# Altium PCB pcb_88.PcbDoc (part 2 of 3) (continued)
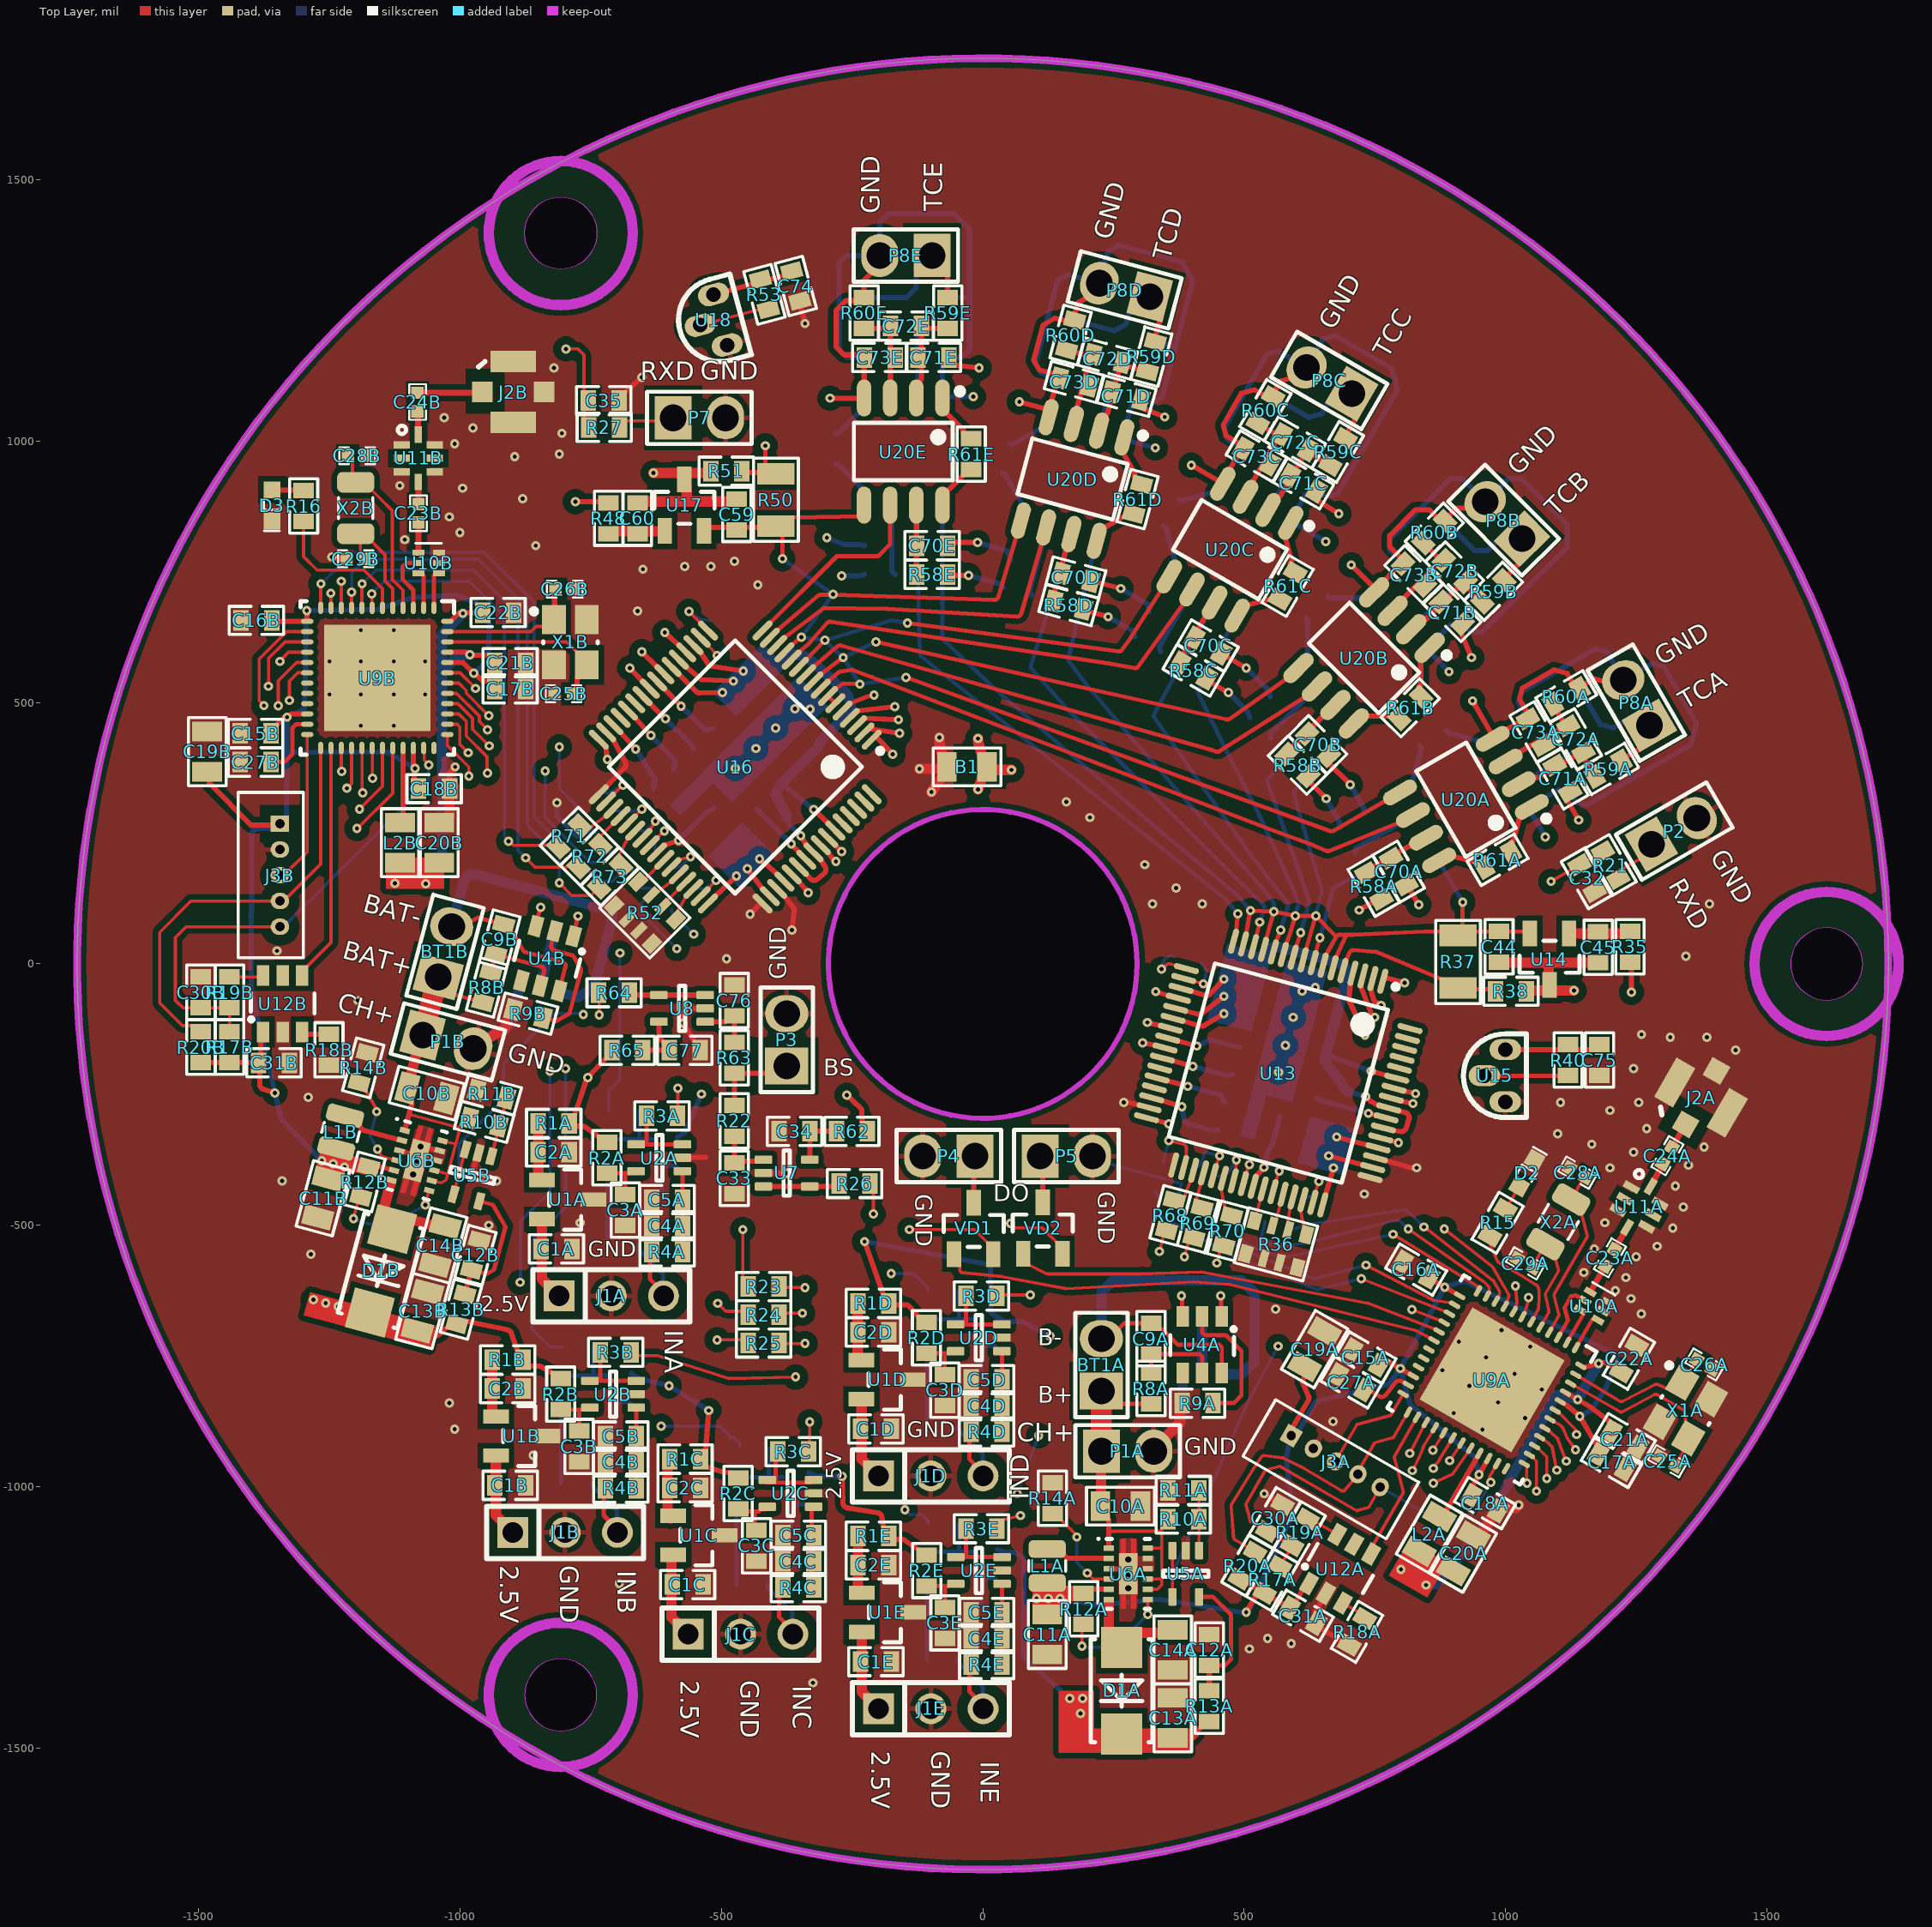
[diagram p0: Top Layer view]
## Nets (pads, with @x,y where several pads share a name; then routed paths per layer and width w, separated by ;. In a path a pad name is that pad's centre, name@x,y a point inside that pad or via, vN(x,y) a via of type N, cw(c..) or ccw(c..) an arc to the next point about the centre after c; other vN are vias at no path point) (continued)
  Top Layer w20: R1D.2@-238.91,-649.29 -238.91,-753.82 -235.13,-757.6 U1D.1@-231.74,-757.6
NetC2E_2: C2E.2 R1E.2 U1E.1 | length 113.3
  Top Layer w20: R1E.2@-238.63,-1094.41 -238.63,-1198.94 -234.85,-1202.72 U1E.1@-231.46,-1202.72
NetC3A_2: C3A.2 R2A.1 U2A.5 | length 99.5
  Top Layer w8: R2A.1@-718.68,-400.24 -686.65,-400.24 ; C3A.2@-683.68,-441.18 -683.68,-403.21 -686.65,-400.24 ; U2A.5@-662.97,-396.3 -671.83,-396.3 -675.76,-400.24 -686.65,-400.24
NetC3B_2: C3B.2 R2B.1 U2B.5 | length 99.5
  Top Layer w8: R2B.1@-807.02,-852.48 -775,-852.48 ; C3B.2@-772.02,-893.42 -772.02,-855.46 -775,-852.48 ; U2B.5@-751.31,-848.54 -760.17,-848.54 -764.11,-852.48 -775,-852.48
NetC3C_2: C3C.2 R2C.1 U2C.5 | length 99.5
  Top Layer w8: R2C.1@-471.29,-1047.1 -439.27,-1047.1 ; C3C.2@-436.29,-1088.04 -436.29,-1050.07 -439.27,-1047.1 ; U2C.5@-415.58,-1043.16 -424.44,-1043.16 -428.38,-1047.1 -439.27,-1047.1
NetC3D_2: C3D.2 R2D.1 U2D.5 | length 99.5
  Top Layer w8: R2D.1@-107.53,-744.53 -75.5,-744.53 ; C3D.2@-72.53,-785.47 -72.53,-747.5 -75.5,-744.53 ; U2D.5@-51.82,-740.59 -60.68,-740.59 -64.61,-744.53 -75.5,-744.53
NetC3E_2: C3E.2 R2E.1 U2E.5 | length 99.5
  Top Layer w8: R2E.1@-107.25,-1189.65 -75.23,-1189.65 ; C3E.2@-72.25,-1230.59 -72.25,-1192.62 -75.23,-1189.65 ; U2E.5@-51.54,-1185.71 -60.4,-1185.71 -64.34,-1189.65 -75.23,-1189.65
NetC4A_1: C4A.1 C5A.2 R4A.2 U2A.1 | length 154.5
  Top Layer w8: U2A.1@-574.39,-396.3 -574.38,-550.47 R4A.2@-574.15,-550.71
NetC4B_1: C4B.1 C5B.2 R4B.2 U2B.1 | length 154.5
  Top Layer w8: U2B.1@-662.73,-848.54 -662.73,-1002.71 R4B.2@-662.5,-1002.95
NetC4C_1: C4C.1 C5C.2 R4C.2 U2C.1 | length 154.5
  Top Layer w8: U2C.1@-327,-1043.16 -327,-1197.33 R4C.2@-326.76,-1197.57
NetC4D_1: C4D.1 C5D.2 R4D.2 U2D.1 | length 154.5
  Top Layer w8: U2D.1@36.76,-740.59 36.76,-894.76 R4D.2@37,-895
NetC4E_1: C4E.1 C5E.2 R4E.2 U2E.1 | length 154.5
  Top Layer w8: U2E.1@37.04,-1185.71 37.04,-1339.88 R4E.2@37.28,-1340.12
NetC6A_2: C6A.2 R5A.1 U3A.5 | length 78.5
  Bottom Layer w8: C6A.2@-613.68,-436.18 -613.68,-391.48 -608.5,-386.3 -587.61,-386.3 R5A.1@-583.68,-390.24
NetC6B_2: C6B.2 R5B.1 U3B.5 | length 78.5
  Bottom Layer w8: C6B.2@-702.02,-888.42 -702.02,-843.72 -696.85,-838.54 -675.96,-838.54 R5B.1@-672.02,-842.48
NetC6C_2: C6C.2 R5C.1 U3C.5 | length 78.5
  Bottom Layer w8: C6C.2@-366.29,-1083.04 -366.29,-1038.33 -361.11,-1033.16 -340.23,-1033.16 R5C.1@-336.29,-1037.1
NetC6D_2: C6D.2 R5D.1 U3D.5 | length 78.5
  Bottom Layer w8: C6D.2@-2.53,-780.47 -2.53,-735.77 2.65,-730.59 23.53,-730.59 R5D.1@27.47,-734.53
NetC6E_2: C6E.2 R5E.1 U3E.5 | length 78.5
  Bottom Layer w8: C6E.2@-2.25,-1225.59 -2.25,-1180.89 2.93,-1175.71 23.81,-1175.71 R5E.1@27.75,-1179.65
NetC7A_1: C7A.1 C8A.2 R7A.2 U3A.1 | length 154.5
  Bottom Layer w8: R7A.2@-718.21,-540.71 -717.97,-540.47 U3A.1@-717.97,-386.3
NetC7B_1: C7B.1 C8B.2 R7B.2 U3B.1 | length 154.5
  Bottom Layer w8: R7B.2@-806.55,-992.95 -806.31,-992.72 U3B.1@-806.31,-838.54
NetC7C_1: C7C.1 C8C.2 R7C.2 U3C.1 | length 154.5
  Bottom Layer w8: R7C.2@-470.82,-1187.57 -470.58,-1187.33 U3C.1@-470.58,-1033.16
NetC7D_1: C7D.1 C8D.2 R7D.2 U3D.1 | length 154.5
  Bottom Layer w8: R7D.2@-107.06,-885 -106.82,-884.76 U3D.1@-106.82,-730.59
NetC7E_1: C7E.1 C8E.2 R7E.2 U3E.1 | length 154.5
  Bottom Layer w8: R7E.2@-106.78,-1330.12 -106.54,-1329.88 U3E.1@-106.54,-1175.71
NetC9A_2: C9A.2 R8A.2 U4A.5 | length 167.1
  Top Layer w8: R8A.2@322.03,-782.47 C9A.2@322.03,-746.53 415.08,-746.53 419.76,-751.21 U4A.5@419.76,-782.67
NetC9B_2: C9B.2 R8B.2 U4B.5 | length 167.1
  Top Layer w8: R8B.2@-940.81,-16.4 C9B.2@-931.51,18.31 -841.63,-5.77 -838.32,-11.51 U4B.5@-846.46,-41.89
NetC12A_2: C12A.2 R13A.1 U5A.5 | length 255
  Top Layer w8: U5A.5@414,-1210.58 440.58,-1210.58 475,-1245 475,-1330 463.47,-1341.53 C12A.2@433.41,-1341.53
  Top Layer w10: R13A.1@433.41,-1389.91 C12A.2@433.41,-1341.53
NetC12B_2: C12B.2 R13B.1 U5B.5 | length 255
  Top Layer w8: C12B.2@-977.92,-585.24 -948.89,-593.02 -934.77,-584.87 -912.77,-502.76 -937.1,-460.61 U5B.5@-962.78,-453.73
  Top Layer w10: R13B.1@-990.45,-631.97 C12B.2@-977.92,-585.24
NetC14A_2: C14A.2 D1A.1 U6A.6
NetC14B_2: C14B.2 D1B.1 U6B.6
NetC20A_2: C20A.2 C21A.2 C22A.2 L2A.2 U9A.45 U9A.48 | length 907.9
  Top Layer w10: L2A.2@835.29,-1123.39 C20A.2@900.25,-1160.89 ; U9A.45@1114.71,-819.83 v1(1137.77,-833.14) 1160.84,-846.46 1201.5,-876.65 C21A.2@1202.61,-894.24 ; U9A.48@1144.23,-768.68 1149.89,-771.95 1178.16,-764.38 1188.43,-761.62 C22A.2@1221.24,-780.56
  Bottom Layer w20: v1(800,-1158) 825.17,-1173.73 v1(848,-1188) 854.55,-1187.37 859.8,-1186.87 866.95,-1186.18 872.71,-1180.42 961.25,-1073.06 962.48,-1071.56 1091.86,-832.5 1099.77,-824.59 1111.2,-824.59 1114.19,-825.55 v1(1137.77,-833.14) v1(1178.14,-764.29)
NetC20B_2: C20B.2 C21B.2 C22B.2 L2B.2 U9B.45 U9B.48 | length 916.7
  Top Layer w10: L2B.2@-1114.34,193.61 -1090.8,193.61 C20B.2@-1039.34,193.61 ; U9B.45@-1024.14,596.21 -987.25,596.21 -982.3,591.26 v1(-980.67,591.26) ; U9B.48@-1017.33,655.54 -1000.87,672 C22B.2@-956.58,672 ; v1@-981.43,590.39 -943.35,590.39 -933.58,580.62 C21B.2@-933.58,576
  Bottom Layer w20: v1(-1124.34,154.39) v1(-1065.34,153.39) -1034,184.72 -1034,559 ; v1(-994.34,670.39) -1034,630.72 -1034,559 ; v1(-980.67,591.26) -1001.74,591.26 -1034,559
NetC23A_1: C23A.1 U10A.1 | length 57.6
  Top Layer w11.52: U10A.1@1162.14,-627.27 C23A.1@1190.94,-577.39
NetC23A_2: C23A.2 U11A.4 | length 49.1
  Top Layer w11.52: C23A.2@1208.66,-546.71 1208.55,-546.29 1232.67,-504.5 U11A.4@1232.56,-504.09
NetC23B_1: C23B.1 U10B.1 | length 57.6
  Top Layer w11.52: U10B.1@-1079.34,786.69 C23B.1@-1079.34,844.28
NetC23B_2: C23B.2 U11B.4 | length 42.1
  Top Layer w11.52: U11B.4@-1079.55,921.73 -1079.45,921.62 -1079.45,879.82 C23B.2@-1079.34,879.72
NetC24A_1: C24A.1 U11A.8 | length 101.9
  Top Layer w11.52: U11A.8@1277.83,-425.67 U11A.8@1277.51,-424.46 ; C24A.1@1300.67,-382.06 1301.04,-383.44 1277.46,-424.28 U11A.8@1277.51,-424.46 ; C24A.1@1302.5,-379.42 1302.82,-380.62 U11A.8@1277.51,-424.46
NetC24A_2: C24A.2 J2A.1 | length 51.5
  Top Layer w11.52: C24A.2@1318.39,-351.37 1343.97,-307.07 J2A.1@1344.33,-306.97
NetC24B_1: C24B.1 U11B.8 | length 45.3
  Top Layer w11.52: C24B.1@-1081.06,1057 -1080.3,1056.25 -1080.3,1013.03 U11B.8@-1079.55,1012.28
NetC24B_2: C24B.2 J2B.1 | length 124.6
  Top Layer w11.52: C24B.2@-1081.06,1092.43 -958.62,1092.43 J2B.1@-957.05,1094
NetC25A_2: C25A.2 U9A.46 X1A.3 | length 360
  Top Layer w6: U9A.46@1124.55,-802.78 1130.69,-806.32 1212.96,-852.98 1218.04,-856.15 ccw(c1221.22,-851.06) 1224.05,-856.35 1283.89,-824.07 cw(c1287.21,-829.06) 1290.19,-823.86 ; 1290.23,-823.88 1339.45,-852.52 cw(c1336.43,-857.7) 1342.38,-856.9 ; C25A.2@1325.34,-959.86 1329.05,-951.82 1341.21,-930.76 X1A.3@1349.62,-907.25 1344.9,-876.17 1342.38,-856.93
NetC25B_2: C25B.2 U9B.46 X1B.3 | length 352.2
  Top Layer w6: U9B.46@-1024.14,615.9 -796.03,615.9 -757.06,576.92 X1B.3@-757.06,572
  Top Layer w10: C25B.2@-783.91,517 -777.09,523.81 -774.69,549.44 X1B.3@-757.06,572
NetC26A_2: C26A.2 U9A.47 X1A.1 | length 281.4
  Top Layer w6: U9A.47@1134.39,-785.73 1140.53,-789.27 1212.96,-832.98 ; 1212.99,-832.99 cw(c1209.86,-838.11) 1213.04,-833.03 1218.11,-836.19 ; 1218.13,-836.21 ccw(c1221.29,-831.1) 1224.05,-836.43 1285.88,-804.57 cw(c1288.63,-809.91) 1291.01,-804.4 1309.09,-812.2 X1A.1@1338.38,-800.75 1351.41,-779.91 1360.43,-764.3 C26A.2@1365.66,-757.14
NetC26B_2: C26B.2 U9B.47 X1B.1 | length 272.3
  Top Layer w6: U9B.47@-1024.14,635.58 -864.14,635.58 -854.34,645.39 -833.28,645.39 X1B.1@-820.05,658.62
  Top Layer w10: X1B.1@-820.05,658.62 -818.89,681.18 -818.89,710.19 C26B.2@-817.06,717
NetC27A_2: C27A.2 U9A.23 | length 102.7
  Top Layer w8: C27A.2@730.38,-815.02 741.71,-816.92 759.53,-827.21 ccw(c763.53,-820.28) 769.78,-825.28 789.99,-800.02 cw(c796.24,-805) 799.72,-797.8 ; 799.76,-797.82 807.82,-801.76 U9A.23@813.96,-805.3
NetC27B_2: C27B.2 U9B.23 | length 129
  Top Layer w8: C27B.2@-1361.53,386 -1335.72,386 -1320.34,401.39 -1320.34,451.39 -1313.31,458.42 U9B.23@-1291.86,458.42
NetC28A_2: C28A.2 U9A.4 X2A.1 | length 339.5
  Top Layer w6: U9A.4@1083.72,-704.2 1101.33,-673.7 1102.14,-672.3 1102.14,-669.91 1092.7,-634.67 1092.7,-632.28 1093.5,-630.89 1156.9,-521.08 1140.36,-459.36 X2A.1@1125.48,-450.77 1149.52,-409.14 C28A.2@1153.23,-408.14
NetC28B_2: C28B.2 U9B.4 X2B.1 | length 344.1
  Top Layer w6: C28B.2@-1214.34,972 -1205.53,963.19 -1205.53,927.4 X2B.1@-1199.34,921.21 -1183.59,921.21 -1154.34,891.96 -1129.34,866.96 -1129.34,735.33 -1108.79,714.78 U9B.4@-1108.79,680.86
NetC29A_2: C29A.2 U9A.5 X2A.2 | length 231.2
  Top Layer w6: C29A.2@1053.23,-581.35 1052.23,-577.64 X2A.2@1076.27,-536.01 1089.91,-543.88 1101.48,-587.07 1076.66,-630.05 1076.66,-634.14 1082.65,-662.59 1082.65,-666.69 U9A.5@1066.68,-694.36
NetC29B_2: C29B.2 U9B.5 X2B.2 | length 219.3
  Top Layer w6: C29B.2@-1181.62,774.72 -1190.43,783.53 -1190.43,815.95 -1183.59,822.79 -1143.34,782.54 -1143.34,732.36 -1128.47,717.49 U9B.5@-1128.47,680.86
NetC32_2: C32.2 R21.1 U9A.30 | length 1434.1
  Top Layer w6: v1(861.85,-965) 861.85,-961.83 872.19,-951.49 872.19,-950.92 877.3,-941.49 cw(c893,-950) 877.83,-940.57 895.1,-912.79 ccw(c890,-909.63) U9A.30@895.16,-912.7 ; U9A.30@895.18,-912.66 U9A.30@898.72,-906.52 ; v1(1086.96,157.8) 1141.37,189.22 1171.5,206.61 R21.1@1186.16,214.6
  Layer 1 w6: 751.46,-494 798.84,-700.32 ccw(c804.68,-698.94) 799.32,-701.62 ; 751.45,-493.97 cw(c757.31,-492.66) 751.85,-490.16 1037.25,125.39 cw(c1042.7,122.87) 1039.5,127.94 v1(1086.96,157.8) ; 799.33,-701.65 876.8,-854.61 cw(c871.45,-857.32) 877.13,-855.4 895.09,-909.27 cw(c889.4,-911.17) 894.44,-914.42 v1(861.85,-965)
NetC33_2: C33.2 R22.2 U7.1 | length 109.2
  Top Layer w10: R22.2@-475,-329.53 C33.2@-475,-380.47 -471.81,-377.28 -422.17,-377.28 U7.1@-419.29,-374.41
NetC34_2: C34.2 R62.1 U7.5 | length 105
  Top Layer w10: U7.5@-330.71,-374.41 -330.59,-374.29 -330.59,-320.12 C34.2@-330.47,-320 R62.1@-280,-320
NetC35_2: C35.2 R27.1 U9B.30 | length 1602.9
  Top Layer w6: U9B.30@-1167.84,413.14 -1167.43,412.73 -1167.43,355.37 v1(-1167.01,354.95) ; v1(-797.2,1176.2) -774.28,1176.2 -766.48,1168.41 ; -766.45,1168.4 cw(c-768.73,1162.85) -762.73,1162.85 -762.73,1077.48 -762.73,1042.7 R27.1@-753.42,1026.01
  Layer 2 w6: -1432.66,527.61 -1409.99,436.02 ccw(c-1404.16,437.44) -1404.93,431.49 ; -1432.66,527.64 cw(c-1426.83,529.05) -1432.67,530.43 -1367.49,812.86 cw(c-1361.65,811.51) -1365.24,816.32 -1176.23,957.83 -957.85,1176.2 v1(-797.2,1176.2) ; -1404.92,431.48 -1228.87,409.24 cw(c-1229.62,403.28) -1225.62,407.76 v1(-1167.01,354.95)
NetC36_2: C36.2 C37.2 C38.2 C39.2 C40.2 C41.2 R29.2 U13.19 U13.21 U13.22 U13.54 U13.56 U13.59 | length 1103.2
  Top Layer w10: U13.22@364.05,-103.93 382.12,-108.77 415.76,-118.74 ; U13.21@369.15,-84.92 387.21,-89.76 411.29,-95.81 ccw(c413.73,-86.12) 419.84,-94.03 v1(461.24,-62) ; U13.19@379.34,-46.89 397.4,-51.73 424.97,-60.16 ; 415.78,-118.75 ccw(c418.6,-109.15) 423.78,-117.71 v1(461.24,-95) ; 424.99,-60.16 ccw(c427.89,-50.59) 435.26,-57.35 v1(461.24,-29) ; v1(732.21,-253.21) 736.08,-257.08 741.94,-262.94 756.07,-270.11 U13.56@776.59,-275.61 794.65,-280.45 808.32,-284.29 ; v1(743,-205) 773.81,-213.73 U13.59@791.87,-218.57 ; U13.54@766.4,-313.64 784.46,-318.48 799.04,-320.51 ccw(c800.41,-310.6) 809.8,-314.05 ; 808.37,-284.3 cw(c805.62,-293.91) 815.24,-296.66 812.1,-307.66 cw(c802.48,-304.91) 811.88,-308.34 809.81,-314.02
  Bottom Layer w10: 656.29,-173.71 657.16,-174.02 658.91,-174.65 v1(743,-205) ; R29.2@694.77,-240.23 701.17,-243.67 R29.2@702.56,-244.42 ; R29.2@700.38,-245.14 714.67,-248.51 v1(732.21,-253.21)
  Bottom Layer w20: C41.2@534.24,0.06 541.03,18.96 541.05,19.02 cw(c559.86,12.2) 556.59,31.93 558.8,32.3 cw(c562.07,12.57) 567.09,31.93 639.68,13.08 ; 639.72,13.07 cw(c634.66,-6.28) 640.32,12.91 682.75,0.38 ; 682.79,0.37 cw(c677.09,-18.8) 696.41,-23.98 675.77,-101.01 661.95,-152.6 656.29,-173.71 653.46,-184.26 663.19,-197.75 692.25,-238.03 694.77,-240.23 R29.2@700.38,-245.14
NetC45_2: C45.2 R35.2 U14.1 | length 117.5
  Top Layer w20: U14.1@1121.4,58 1125.18,58.15 1228.31,58.15 R35.2@1238,62.53
NetC46_2: C46.2 U13.24 | length 143.8
  Top Layer w10: U13.24@353.86,-141.96 371.93,-146.8 v1(409,-157)
  Bottom Layer w10: v1(409,-157) 424.93,-150.03 ccw(c420.92,-140.87) 425.08,-149.96 432.83,-146.44 cw(c436.97,-155.55) 439.56,-145.89 481.98,-157.25 C46.2@491.66,-158.83
NetC47_1: C47.1 U13.28 | length 142.7
  Top Layer w10: U13.28@333.48,-218.02 351.55,-222.86 389,-232.74 390,-233 v1(392,-234)
  Bottom Layer w10: v1(392,-234) 456.76,-251.35 C47.1@463.28,-264.76
NetC48_1: C48.1 U13.30 | length 155
  Top Layer w10: U13.30@323.29,-256.05 341.36,-260.89 v1(381,-273)
  Bottom Layer w10: v1(381,-273) 385.76,-298.4 ; 385.77,-298.44 ccw(c395.59,-296.55) 393,-306.21 438.78,-318.48 C48.1@449.09,-317.73
NetC49_1: C49.1 U13.55 | length 138.2
  Top Layer w10: v1(737.81,-285.74) 753.43,-289.79 U13.55@771.49,-294.63
  Bottom Layer w10: C49.1@638.79,-256.96 647.66,-261.58 v1(737.81,-285.74)
NetC50_1: C50.1 U13.26 | length 138.4
  Top Layer w10: U13.26@343.67,-179.99 361.74,-184.83 v1(402,-196)
  Bottom Layer w10: v1(402,-196) 466.94,-213.4 C50.1@477.47,-211.8
NetC51_2: C51.2 C52.2 C53.2 C54.2 C55.2 C56.2 R42.2 U16.19 U16.21 U16.22 U16.54 U16.56 U16.59 | length 1176.2
  Top Layer w10: U16.22@-595.09,568.12 -581.87,554.9 -548.02,521.02 ccw(c-540.94,528.09) -540.77,518.09 v1(-498,519) ; U16.21@-581.17,582.04 -567.95,568.81 -537.85,543.9 v1(-477,541) ; U16.19@-553.33,609.88 -540.11,596.65 -525.44,573.8 ; -525.42,573.78 ccw(c-517.02,579.2) -518.51,569.31 -511.28,568.2 v1(-458,560) ; U16.54@-351.5,185.33 -338.28,172.11 -329.57,162.93 ; v1(-348,245) -336.89,226.4 U16.56@-323.66,213.17 -310.44,199.95 -301.49,185.93 cw(c-309.92,180.55) -300.21,178.15 -300.23,178.07 cw(c-309.93,180.5) -303.4,172.93 -315.76,162.25 cw(c-322.31,169.81) -329.54,162.9 ; v1(-323,295) -295.13,268.16 U16.59@-281.9,254.93
  Bottom Layer w10: C51.2@-376.2,338.71 v1(-323,295) ; R42.2@-375.36,281.11 -369.35,266.35 v1(-348,245)
  Bottom Layer w20: -421,555 -400.9,566.46 -393.07,570.93 -376.94,587.06 cw(c-362.8,572.92) -358.09,592.35 -340.9,588.19 -340.85,588.18 cw(c-345.61,568.75) -332.25,583.63 -287.4,543.36 -287.36,543.32 cw(c-300.76,528.48) -286.62,542.62 -261.9,517.9 -261.86,517.86 cw(c-276.05,503.76) -257.48,511.19 -254.43,503.58 cw(c-273,496.15) -253,496.15 -253,493.4 cw(c-273,493.4) -258.52,479.61 -311.66,423.79 C53.2@-315.14,413.58 -385.86,342.86 -391.41,333.94 -396.96,325.01 -378.84,291.33 R42.2@-375.36,281.11
NetC60_2: C60.2 R48.2 U17.1 | length 108.7
  Top Layer w20: R48.2@-715.56,822.87 -705.88,827.63 -611.74,827.63 U17.1@-607.96,828.18
NetC61_2: C61.2 U16.24 | length 147.1
  Top Layer w10: U16.24@-622.93,540.28 -609.71,527.06 v1(-577,493)
  Bottom Layer w10: v1(-577,493) -531.39,447.39 C61.2@-514.93,450.03
NetC62_1: C62.1 U16.28 | length 147.8
  Top Layer w10: U16.28@-678.61,484.6 -665.38,471.38 v1(-635,437)
  Bottom Layer w10: v1(-635,437) -588.39,390.39 C62.1@-591.54,373.43
NetC63_1: C63.1 U16.30 | length 149.7
  Top Layer w10: U16.30@-706.45,456.76 -693.22,443.54 v1(-664,411)
  Bottom Layer w10: v1(-664,411) -626.36,352.41 C63.1@-629.84,335.13
NetC64_1: C64.1 U16.55 | length 135.8
  Top Layer w10: v1(-366.22,229.82) cw(c-372,221.66) v1@-364.48,228.24 ; v1@-364.45,228.21 -350.81,212.48 U16.55@-337.58,199.25
  Bottom Layer w10: C64.1@-432.66,296.06 -425.45,289.45 -386.42,250.42 cw(c-393.5,243.35) -386.35,250.35 v1(-366.22,229.82)
NetC65_1: C65.1 U16.26 | length 140.5
  Top Layer w10: U16.26@-650.77,512.44 -637.54,499.22 v1(-607,469)
  Bottom Layer w10: v1(-607,469) -558.39,420.39 C65.1@-553.24,411.73
NetC66A_2: C66A.2 R54A.1 U19A.7 | length 136.6
  Bottom Layer w10: R54A.1@711.62,212.34 713.88,220.77 820.49,282.32 U19A.7@821.72,286.91
NetC66B_2: C66B.2 R54B.1 U19B.7 | length 136.6
  Bottom Layer w10: R54B.1@550.49,431.93 550.49,440.65 637.55,527.7 U19B.7@637.55,532.46
NetC66C_2: C66C.2 R54C.1 U19C.7 | length 136.6
  Bottom Layer w10: R54C.1@339.93,597.75 337.67,606.18 399.22,712.79 U19C.7@397.99,717.38
NetC66D_2: C66D.2 R54D.1 U19D.7 | length 136.6
  Bottom Layer w10: R54D.1@93.7,705.14 89.34,712.7 121.2,831.61 U19D.7@118.83,835.73
NetC66E_2: C66E.2 R54E.1 U19E.7 | length 136.6
  Bottom Layer w10: U19E.7@-177,877.64 -173.64,874.28 -173.64,751.17 R54E.1@-167.47,745
NetC67A_2: C67A.2 C68A.1 R55A.2 U19A.2 | length 183.8
  Bottom Layer w10: U19A.2@999.02,389.28 999.34,389.19 1118.13,457.77 C68A.1@1118.45,457.69 ; R55A.2@1089.3,499.13 C68A.1@1112.27,459.34
NetC67B_2: C67B.2 C68B.1 R55B.2 U19B.2 | length 183.8
  Bottom Layer w10: U19B.2@782.31,677.22 782.64,677.22 879.63,774.21 C68B.1@879.97,774.21 ; R55B.2@841.08,806.7 C68B.1@873.56,774.21
NetC67C_2: C67C.2 C68C.1 R55C.2 U19C.2 | length 183.8
  Bottom Layer w10: U19C.2@500.36,894.68 500.68,894.77 569.26,1013.56 C68C.1@569.58,1013.64 ; R55C.2@523.61,1034.96 C68C.1@563.4,1011.98
NetC67D_2: C67D.2 C68D.1 R55D.2 U19D.2 | length 183.8
  Bottom Layer w10: R55D.2@157.97,1174.99 C68D.1@202.35,1163.1 ; U19D.2@171.81,1033.48 172.1,1033.64 207.6,1166.14 C68D.1@207.89,1166.3
NetC67E_2: C67E.2 C68E.1 R55E.2 U19E.2 | length 183.8
  Bottom Layer w10: R55E.2@-227,1215.47 C68E.1@-181.06,1215.47 ; U19E.2@-177,1082.36 -176.76,1082.6 -176.76,1219.76 C68E.1@-176.53,1220
NetC68A_2: C68A.2 C69A.1 R56A.2 U19A.3 | length 195.9
  Bottom Layer w10: U19A.3@1024.02,345.97 1028.61,344.75 1139.55,408.8 1147.98,406.54 1146.32,400.36 R56A.2@1170.3,358.84
NetC68B_2: C68B.2 C69B.1 R56B.2 U19B.3 | length 195.9
  Bottom Layer w10: U19B.3@817.66,641.86 822.41,641.86 913,732.45 921.72,732.45 921.72,726.05 R56B.2@955.63,692.15
NetC68C_2: C68C.2 C69C.1 R56C.2 U19C.3 | length 195.9
  Bottom Layer w10: U19C.3@543.66,869.68 548.25,870.91 612.3,981.86 620.73,984.11 622.39,977.93 R56C.2@663.91,953.96
NetC68D_2: C68D.2 C69D.1 R56D.2 U19D.3 | length 195.9
  Bottom Layer w10: U19D.3@220.11,1020.54 224.22,1022.91 257.38,1146.66 264.93,1151.02 268.14,1145.47 R56D.2@314.45,1133.06
NetC68E_2: C68E.2 C69E.1 R56E.2 U19E.3 | length 195.9
  Bottom Layer w10: U19E.3@-127,1082.36 -123.64,1085.72 -123.64,1213.83 C68E.2@-117.47,1220 -112.94,1215.47 R56E.2@-65,1215.47
NetC70A_2: C70A.2 R58A.1 U20A.7 | length 132.8
  Top Layer w10: R58A.1@732.09,176.89 732.18,177.21 846.64,243.29 U20A.7@846.72,243.61
NetC70B_2: C70B.2 R58B.1 U20B.7 | length 132.8
  Top Layer w10: R58B.1@579.45,402.98 579.45,403.31 672.9,496.77 U20B.7@672.9,497.1
NetC70C_2: C70C.2 R58C.1 U20C.7 | length 132.8
  Top Layer w10: R58C.1@375.39,577.28 375.3,577.6 441.38,692.06 U20C.7@441.3,692.38
NetC70D_2: C70D.2 R58D.1 U20D.7 | length 132.8
  Top Layer w10: R58D.1@133.25,694.55 133.08,694.84 167.29,822.5 U20D.7@167.12,822.79
NetC70E_2: C70E.2 R58E.1 U20E.7 | length 132.8
  Top Layer w10: U20E.7@-127,877.64 -126.76,877.4 -126.76,745.24 R58E.1@-126.53,745
NetC71A_2: C71A.2 C72A.1 R59A.2 U20A.2 | length 193.9
  Top Layer w10: U20A.2@1024.02,345.97 1046.89,359.18 1059.9,355.69 1147.98,406.54 1146.32,400.36 R59A.2@1169.3,360.57
NetC71B_2: C71B.2 C72B.1 R59B.2 U20B.2 | length 193.9
  Top Layer w10: U20B.2@817.66,641.86 836.33,660.53 849.81,660.53 921.72,732.45 921.72,726.05 R59B.2@954.21,693.56
NetC71C_2: C71C.2 C72C.1 R59C.2 U20C.2 | length 193.9
  Top Layer w10: U20C.2@543.66,869.68 556.86,892.55 569.88,896.03 620.73,984.11 622.39,977.93 R59C.2@662.17,954.96
NetC71D_2: C71D.2 C72D.1 R59D.2 U20D.2 | length 193.9
  Top Layer w10: U20D.2@220.11,1020.54 226.94,1046.04 238.61,1052.78 264.93,1151.02 268.14,1145.47 R59D.2@312.52,1133.58
NetC71E_2: C71E.2 C72E.1 R59E.2 U20E.2 | length 193.9
  Top Layer w10: U20E.2@-127,1082.36 -127,1108.77 -117.47,1118.3 C72E.1@-117.47,1220 -112.94,1215.47 R59E.2@-67,1215.47
NetC72A_2: C72A.2 C73A.1 R60A.2 U20A.3 | length 183.8
  Top Layer w10: U20A.3@999.02,389.28 999.34,389.19 1118.13,457.77 C72A.2@1118.45,457.69 ; R60A.2@1089.3,499.13 C72A.2@1112.27,459.34
NetC72B_2: C72B.2 C73B.1 R60B.2 U20B.3 | length 183.8
  Top Layer w10: U20B.3@782.31,677.22 782.64,677.22 879.63,774.21 C72B.2@879.97,774.21 ; R60B.2@841.08,806.7 C72B.2@873.56,774.21
NetC72C_2: C72C.2 C73C.1 R60C.2 U20C.3 | length 183.8
  Top Layer w10: U20C.3@500.36,894.68 500.68,894.77 569.26,1013.55 C72C.2@569.59,1013.64 ; R60C.2@523.61,1034.96 C72C.2@563.4,1011.98
NetC72D_2: C72D.2 C73D.1 R60D.2 U20D.3 | length 183.8
  Top Layer w10: R60D.2@157.97,1174.99 C72D.2@202.35,1163.1 ; U20D.3@171.81,1033.48 172.1,1033.64 207.6,1166.14 C72D.2@207.89,1166.3
NetC72E_2: C72E.2 C73E.1 R60E.2 U20E.3 | length 183.8
  Top Layer w10: R60E.2@-227,1215.47 C72E.2@-181.06,1215.47 ; U20E.3@-177,1082.36 -176.76,1082.6 -176.76,1219.76 C72E.2@-176.53,1220
NetC76_2: C76.2 R63.2 U8.1 | length 110.8
  Top Layer w10: U8.1@-530.71,-110.59 -490.98,-110.59 -479.92,-99.53 C76.2@-475,-99.53 R63.2@-475,-150
NetC77_2: C77.2 R65.1 U8.5 | length 113.5
  Top Layer w10: R65.1@-650.47,-165 C77.2@-599.53,-165 -599.53,-160.08 -619.29,-140.32 U8.5@-619.29,-110.59
NetD2_1: D2.1 R15.1 | length 51.2
  Top Layer w6: R15.1@999.76,-469.43 1006.29,-459.62 1019.65,-436.49 D2.1@1026.24,-425.57
NetD3_1: D3.1 R16.2 | length 60.5
  Top Layer w10: D3.1@-1359.45,906.78 -1348.71,906.53 -1313.71,906.53 R16.2@-1299.03,905.37
NetJ1A_3: J1A.3 R4A.1 R7A.1 | length 211
  Top Layer w8: R4A.1@-633.2,-550.71 -636.65,-554.16 -636.65,-602.4 -610.53,-628.52 J1A.3@-610.53,-635
  Bottom Layer w8: R7A.1@-659.15,-540.71 -659.15,-545.63 -611.31,-593.47 -611.31,-634.22 J1A.3@-610.53,-635
NetJ1B_3: J1B.3 R4B.1 R7B.1 | length 211
  Top Layer w8: R4B.1@-721.55,-1002.95 -725,-1006.4 -725,-1054.64 -698.87,-1080.77 J1B.3@-698.87,-1087.24
  Bottom Layer w8: R7B.1@-747.5,-992.95 -747.5,-997.87 -699.65,-1045.71 -699.65,-1086.46 J1B.3@-698.87,-1087.24
NetJ1C_3: J1C.3 R4C.1 R7C.1 | length 211
  Top Layer w8: R4C.1@-385.82,-1197.57 -389.27,-1201.02 -389.27,-1249.26 -363.14,-1275.38 J1C.3@-363.14,-1281.86
  Bottom Layer w8: R7C.1@-411.76,-1187.57 -411.76,-1192.49 -363.92,-1240.33 -363.92,-1281.08 J1C.3@-363.14,-1281.86
NetJ1D_3: J1D.3 R4D.1 R7D.1 | length 211
  Top Layer w8: R4D.1@-22.06,-895 -25.5,-898.45 -25.5,-946.69 0.62,-972.81 J1D.3@0.62,-979.29
  Bottom Layer w8: R7D.1@-48,-885 -48,-889.92 -0.16,-937.76 -0.16,-978.51 J1D.3@0.62,-979.29
NetJ1E_3: J1E.3 R4E.1 R7E.1 | length 211
  Top Layer w8: R4E.1@-21.78,-1340.12 -25.23,-1343.57 -25.23,-1391.81 0.9,-1417.93 J1E.3@0.9,-1424.41
  Bottom Layer w8: R7E.1@-47.72,-1330.12 -47.72,-1335.04 0.12,-1382.88 0.12,-1423.63 J1E.3@0.9,-1424.41
NetL1A_1: L1A.1 U6A.2 | length 125
  Top Layer w10: L1A.1@123.41,-1119.09 143.93,-1119.09 161.79,-1136.95 U6A.2@241.03,-1136.95
NetL1B_1: L1B.1 U6B.2 | length 125
  Top Layer w10: L1B.1@-1219.79,-290.14 -1199.97,-295.45 -1187.34,-317.33 U6B.2@-1110.8,-337.84
NetL2A_1: L2A.1 U9A.33 | length 145.1
  Top Layer w10: L2A.1@873.68,-1056.9 881.26,-1054.87 U9A.33@949.87,-936.05
NetL2B_1: L2B.1 U9B.33 | length 143.8
  Top Layer w10: L2B.1@-1114.34,270.39 -1108.79,284.09 U9B.33@-1108.79,413.14
NetP2_1: P2.1 R21.2 | length 94.2
  Top Layer w6: R21.2@1215.68,163.45 1224.25,181.98 1257.83,201.37 P2.1@1279.32,229.02
NetP3_1: P3.1 R22.1 R63.1 | length 167.2
  Top Layer w10: R22.1@-475,-270.47 R63.1@-475,-209.06 -389.06,-209.06 P3.1@-375,-195
NetP4_1: P4.1 VD1.3 | length 90
  Top Layer w10: VD1.3@-17.4,-456.57 -17.4,-370.03 P4.1@-14.95,-367.58
NetP5_1: P5.1 VD2.3 | length 90.3
  Top Layer w10: P5.1@110.05,-367.58 115,-372.53 VD2.3@115,-455.79
NetP7_1: P7.1 R27.2 | length 108.4
  Top Layer w6: R27.2@-694.36,1026.01 -682.6,1038.62 -624.37,1038.62 P7.1@-591.94,1044.47
NetP8A_1: P8A.1 R55A.1 R59A.1 | length 275
  Top Layer w10: R59A.1@1220.44,390.1 1264.15,415.33 P8A.1@1275.13,456.31
  Bottom Layer w10: R55A.1@1140.44,528.66 1181.2,458.05 1205.84,451.45 1233.56,467.45 P8A.1@1275.13,456.31
NetP8B_1: P8B.1 R55B.1 R59B.1 | length 275
  Top Layer w10: R59B.1@995.97,735.32 1031.66,771.01 P8B.1@1031.66,813.43
  Bottom Layer w10: R55B.1@882.83,848.46 940.48,790.81 965.99,790.81 988.62,813.43 P8B.1@1031.66,813.43
NetP8C_1: P8C.1 R55C.1 R59C.1 | length 275
  Top Layer w10: R59C.1@691.7,1006.1 716.94,1049.81 P8C.1@705.96,1090.79
  Bottom Layer w10: R55C.1@553.14,1086.1 623.74,1045.34 648.39,1051.94 664.39,1079.65 P8C.1@705.96,1090.79
NetP8D_1: P8D.1 R55D.1 R59D.1 | length 275
  Top Layer w10: P8D.1@319.65,1276.12 340.86,1239.38 R59D.1@327.8,1190.62
  Bottom Layer w10: R55D.1@173.25,1232.04 252,1210.93 274.1,1223.69 282.38,1254.6 P8D.1@319.65,1276.12
NetP8E_1: P8E.1 R55E.1 R59E.1 | length 275
  Top Layer w10: P8E.1@-97,1355 -67,1325 R59E.1@-67,1274.53
  Bottom Layer w10: R55E.1@-227,1274.53 -145.47,1274.53 -127.43,1292.57 -127.43,1324.57 P8E.1@-97,1355
NetQ1A_2: Q1A.2 Q1A.5 | length 108.3
  Bottom Layer w20: Q1A.2@419.76,-782.67 Q1A.5@419.76,-674.4
NetQ1A_4: Q1A.4 U4A.3 | length 80.8
  Top Layer w8: v1(380,-635) 381.18,-636.18 381.18,-673.22 U4A.3@382.36,-674.4
  Bottom Layer w8: v1(380,-635) 381.18,-636.18 381.18,-673.22 Q1A.4@382.36,-674.4
NetQ1A_6: Q1A.6 U4A.1 | length 80.6
  Top Layer w8: v1(455,-635) 456.08,-636.08 456.08,-673.32 U4A.1@457.17,-674.4
  Bottom Layer w8: v1(455,-635) 456.08,-636.08 456.08,-673.32 Q1A.6@457.17,-674.4
NetQ1B_2: Q1B.2 Q1B.5 | length 108.3
  Bottom Layer w20: Q1B.2@-846.46,-41.89 Q1B.5@-818.44,62.69
NetQ1B_4: Q1B.4 U4B.3 | length 75.2
  Top Layer w8: U4B.3@-854.57,72.37 -855.4,73.81 -852.7,83.88 v1(-845.63,108.37)
  Bottom Layer w8: Q1B.4@-854.57,72.37 -855.4,73.81 -852.7,83.88 v1(-845.63,108.37)
NetQ1B_6: Q1B.6 U4B.1 | length 79.4
  Top Layer w8: U4B.1@-782.31,53.01 -783.08,54.33 -779.76,66.7 v1(-774.25,91.45)
  Bottom Layer w8: Q1B.6@-782.31,53.01 -783.08,54.33 -779.76,66.7 v1(-774.25,91.45)
NetR3A_1: R3A.1 U2A.3 U2A.4 | length 149.1
  Top Layer w8: U2A.4@-662.97,-345.12 -641.65,-345.12 ; R3A.1@-643.2,-290.71 -643.2,-343.57 -641.65,-345.12 ; U2A.3@-584.15,-341.24 U2A.3@-580.28,-345.12 ; U2A.3@-574.39,-345.12 U2A.3@-580.28,-345.12 ; -641.65,-345.12 U2A.3@-580.28,-345.12
NetR3A_2: R3A.2 U9A.41 | length 2159.7
  Top Layer w6: R3A.2@-584.15,-290.71 -583,-274.02 v1(-583,-238) ; U9A.41@1075.34,-888.02 1081.47,-891.56 1095.29,-903.52 1096.17,-904.4 1098.77,-907 1099.68,-907.91 v1(1116,-951)
  Layer 2 w6: v1(-583,-238) -584.98,-474.18 ccw(c-578.98,-474.24) -582.87,-478.8 -514.32,-536.88 ccw(c-510.43,-532.32) -511.33,-538.25 ; -511.31,-538.25 -466.23,-544.97 ccw(c-465.31,-539.04) -465.83,-545.01 ; -465.8,-545.02 99.09,-590.93 cw(c98.61,-596.91) 100.82,-591.33 868.72,-899.8 1030.93,-931.99 cw(c1029.76,-937.87) 1031.05,-932.01 v1(1116,-951)
NetR3B_1: R3B.1 U2B.3 U2B.4 | length 149.1
  Top Layer w8: U2B.4@-751.31,-797.36 -730,-797.36 ; R3B.1@-731.55,-742.95 -731.55,-795.81 -730,-797.36 ; U2B.3@-672.5,-793.49 U2B.3@-668.62,-797.36 ; U2B.3@-662.73,-797.36 U2B.3@-668.62,-797.36 ; -730,-797.36 U2B.3@-668.62,-797.36
NetR3B_2: R3B.2 U9A.40 | length 1996.9
  Top Layer w6: R3B.2@-672.5,-742.95 -660.73,-749 -623.94,-749 cw(c-623.94,-755) -622.11,-749.29 -486.96,-792.69 ccw(c-485.13,-786.98) -485.02,-792.98 v1(-358,-790) ; U9A.40@1065.49,-905.07 1071.63,-908.61 1083.56,-918.06 1085.54,-920.05 1089.06,-923.56 v1(1098,-968)
  Layer 2 w6: v1(-358,-790) 26.1,-835.66 cw(c25.39,-841.61) 30.52,-838.5 118.27,-982.8 ; 118.29,-982.83 ccw(c123.4,-979.69) 120.21,-984.77 162.16,-1011.42 163.42,-1012.22 627.97,-1048.21 628.34,-1048.21 628.47,-1048.2 874.68,-1037.44 876.79,-1035.33 877.14,-1034.78 925.62,-958.99 927.25,-957.36 928.85,-956.95 978.41,-944.35 979.76,-944.35 980.34,-944.47 v1(1098,-968)
NetR3C_1: R3C.1 U2C.3 U2C.4 | length 149.1
  Top Layer w8: U2C.4@-415.58,-991.98 -394.27,-991.98 ; R3C.1@-395.82,-937.57 -395.82,-990.43 -394.27,-991.98 ; U2C.3@-336.76,-988.1 U2C.3@-332.89,-991.98 ; U2C.3@-327,-991.98 U2C.3@-332.89,-991.98 ; -394.27,-991.98 U2C.3@-332.89,-991.98
NetR3C_2: R3C.2 U9A.39 | length 1678.7
  Top Layer w6: R3C.2@-333.15,-932.71 -331,-916.02 v1(-331,-876) ; U9A.39@1055.65,-922.11 1058.25,-922.11 1079,-942.87 v1(1079,-984)
  Layer 2 w6: v1(-331,-876) -317.07,-855.11 cw(c-312.08,-858.44) -316.93,-854.9 ; -316.92,-854.89 -308.12,-842.9 cw(c-303.29,-846.45) -302.44,-840.51 8.48,-884.64 cw(c7.64,-890.58) 12.49,-887.05 74.9,-972.86 ccw(c79.75,-969.34) 75.1,-973.12 114,-1020.77 ccw(c118.63,-1016.96) 116.53,-1022.58 159.27,-1038.72 ccw(c161.35,-1033.1) 161.04,-1039.09 620.61,-1066.03 ccw(c621.31,-1054.05) 621.23,-1066.05 887.09,-1068 887.15,-1068 ccw(c887.1,-1062) 888.84,-1067.74 971.76,-1042.68 ccw(c970.02,-1036.93) 975.19,-1039.98 1014.74,-972.83 cw(c1019.91,-975.88) 1021.28,-970.04 1045.02,-975.6 cw(c1041,-993) 1045.33,-975.68 v1(1079,-984)